# Altium PCB Board.PcbDoc (part 5 of 7)
Units mil, origin at the board's own origin, x right, y up, seen from the top; angles counter-clockwise.
Board outline 7091.76 x 4731.03 mil, 4 copper layers (Top Layer, GND, VCC, Bottom Layer); 297 components, 197 nets, 1031 pads, 468 vias.
Unrouted connection lines stored in the file: 1.
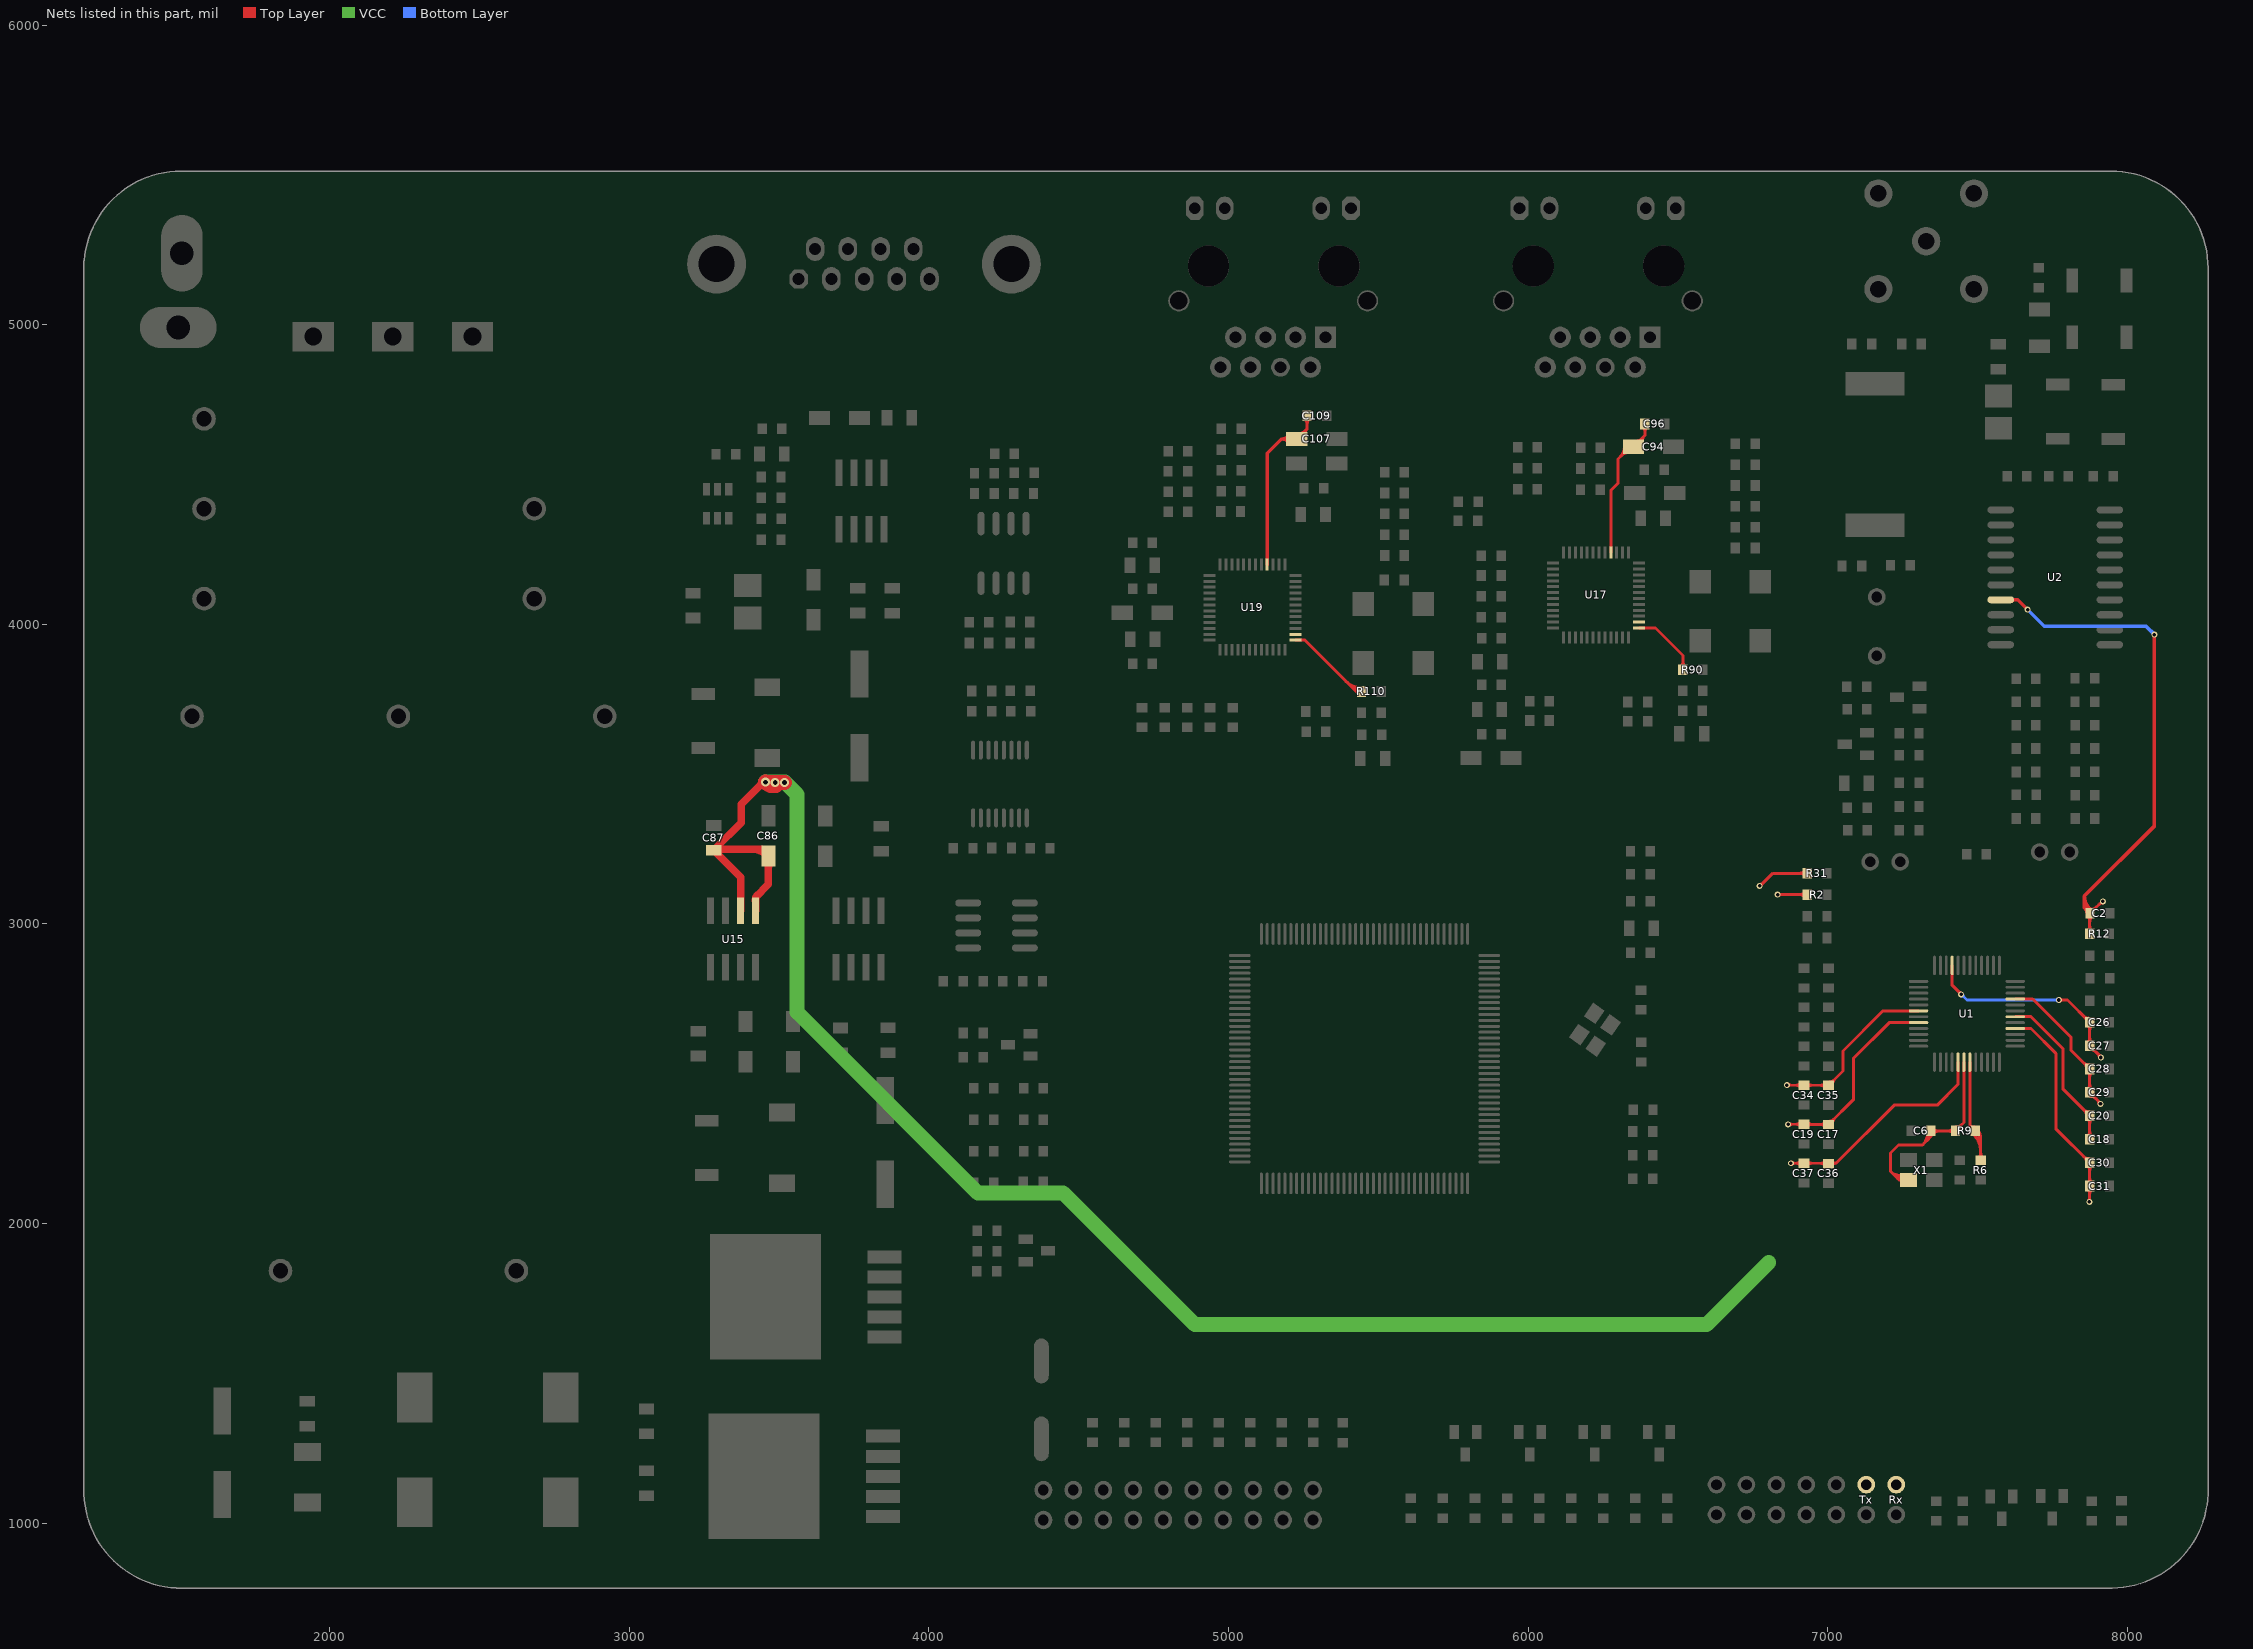
[diagram p7: the nets of this part, all layers, seen from the top]

## Via types
v1: diameter 20, hole 12, Top Layer to Bottom Layer, 399 vias
v2: diameter 30, hole 16, Top Layer to Bottom Layer, 68 vias
v3: diameter 25, hole 15, Top Layer to Bottom Layer, 1 vias

## Nets (pads, with @x,y where several pads share a name; then routed paths per layer and width w, separated by ;. In a path a pad name is that pad's centre, name@x,y a point inside that pad or via, vN(x,y) a via of type N, cw(c..) or ccw(c..) an arc to the next point about the centre after c; other vN are vias at no path point) (continued)
VDD-3.3: C2.2 C26.2 C27.2 C28.2 C29.2 C30.2 C31.2 C34.2 C35.2 C36.2 C37.2 C86.2 C87.1 R2.2 R12.2 R31.1 Rx.1 Tx.1 U1.9 U1.18 U1.29 U1.40 U1.45 U2.7 U15.1 U15.2 | length 12493.4
  Top Layer w10: v1(6773,3127) 6775,3127 6817,3169 R31.1@6932,3169 ; v1@6773,3132 ccw(c6773,3148.9) 6784.95,3136.95 ; v1(6833,3098) 6931.22,3098 R2.2@6931.85,3097.37 ; v1@6836.54,3094.46 cw(c6845.07,3085.93) 6845.07,3098 cw(c6845.07,3110.07) v1@6836.54,3101.54 ; v1(6864,2462) 6864.6,2461.4 C34.2@6921,2461.4 7002.4,2461.4 C35.2@7003,2460.8 7051,2508.8 7051,2576 7184.84,2709.84 U1.18@7303.58,2709.84 ; v1@6867.54,2458.46 cw(c6874.62,2451.38) 6874.62,2461.4 ; v1@6867.54,2465.54 ccw(c6877.52,2475.52) 6877.52,2461.4 ; v1(6877,2201) 7028,2201 ; v1@6880.54,2197.46 cw(c6889.07,2188.93) 6889.07,2201 cw(c6889.07,2213.07) v1@6880.54,2204.54 ; 6904.39,3098 cw(c6904.39,3069.91) R2.2@6924.25,3089.77 ; 6907.42,3098 ccw(c6907.42,3121.81) R2.2@6924.25,3104.97 ; C37.2@6911.43,2193.4 ccw(c6893.08,2175.05) 6893.08,2201 ccw(c6893.08,2226.95) C37.2@6911.43,2208.6 ; C34.2@6911.43,2453.8 ccw(c6893.08,2435.45) 6893.08,2461.4 ccw(c6893.08,2487.35) C34.2@6911.43,2469 ; R31.1@6924.4,3161.4 ccw(c6906.05,3143.05) 6906.05,3169 ccw(c6906.05,3194.95) R31.1@6924.4,3176.6 ; C37.2@6930.57,2193.4 cw(c6948.92,2175.05) 6948.92,2201 cw(c6948.92,2226.95) C37.2@6930.57,2208.6 ; C34.2@6930.57,2453.8 cw(c6948.92,2435.45) 6948.92,2461.4 cw(c6948.92,2487.35) C34.2@6930.57,2469 ; 6972.67,2201 cw(c6972.67,2171.64) C36.2@6993.43,2192.4 ; 6973.64,2461.4 cw(c6973.64,2433.4) C35.2@6993.43,2453.2 ; 6976.53,2461.4 ccw(c6976.53,2485.3) C35.2@6993.43,2468.4 ; 6977.5,2201 ccw(c6977.5,2223.53) C36.2@6993.43,2207.6 ; C35.2@7004.97,2471.55 ccw(c7004.97,2492.74) 7019.96,2477.76 ; C36.2@7012.68,2207.48 ccw(c7028,2222.33) 7028,2201 ; C36.2@7013.67,2193.69 cw(c7028,2183.3) 7028,2201 ; C35.2@7015.72,2460.8 cw(c7046.42,2460.8) 7024.71,2482.51 ; U1.9@7415.79,2861.42 7415.79,2795.21 v1(7446,2765) ; U1.29@7435.47,2538.58 7435.47,2464.47 7366,2395 7222,2395 7028,2201 ; v1@7441,2765 ccw(c7428.93,2765) 7437.46,2773.54 ccw(c7446,2782.07) v1@7446,2770 ; U1.40@7626.42,2650.79 7679.21,2650.79 7762,2568 7762,2316.14 C30.2@7875,2203.14 C31.2@7875,2125 7875,2073 v1(7874,2072) ; U1.45@7626.42,2749.21 7684.79,2749.21 7813,2621 7813,2577.71 C28.2@7875,2515.71 C29.2@7875,2437.57 7911,2401.57 v1(7911,2399) ; v1(7772,2746) 7801,2746 C26.2@7875,2672 C27.2@7875,2593.86 7912,2556.86 v1(7912,2554) ; v1@7775.54,2742.46 cw(c7784.07,2733.93) 7784.07,2746 cw(c7784.07,2758.07) v1@7775.54,2749.54 ; 7853.29,2224.85 ccw(c7875,2246.56) C30.2@7875,2215.86 ; 7853.29,2537.42 ccw(c7875,2559.13) C28.2@7875,2528.43 ; 7853.29,2693.71 ccw(c7875,2715.42) C26.2@7875,2684.72 ; 7858.04,2220.1 cw(c7843.06,2205.11) C30.2@7864.25,2205.11 ; 7858.04,2532.67 cw(c7843.06,2517.68) C28.2@7864.25,2517.68 ; 7858.04,2688.96 cw(c7843.06,2673.97) C26.2@7864.25,2673.97 ; C31.2@7867.4,2115.43 cw(c7849.05,2097.08) 7875,2097.08 cw(c7900.95,2097.08) C31.2@7882.6,2115.43 ; C31.2@7867.4,2134.57 ccw(c7849.05,2152.92) 7875,2152.92 ccw(c7900.95,2152.92) C31.2@7882.6,2134.57 ; C30.2@7867.4,2193.57 cw(c7849.05,2175.23) 7875,2175.23 cw(c7900.95,2175.23) C30.2@7882.6,2193.57 ; C29.2@7867.4,2447.14 ccw(c7849.05,2465.49) 7875,2465.49 ccw(c7900.95,2465.49) C29.2@7882.6,2447.14 ; C28.2@7867.4,2506.15 cw(c7849.05,2487.8) 7875,2487.8 cw(c7900.95,2487.8) C28.2@7882.6,2506.15 ; C27.2@7867.4,2603.43 ccw(c7849.05,2621.77) 7875,2621.77 ccw(c7900.95,2621.77) C27.2@7882.6,2603.43 ; C26.2@7867.4,2662.43 cw(c7849.05,2644.08) 7875,2644.08 cw(c7900.95,2644.08) C26.2@7882.6,2662.43 ; R12.2@7867.4,2976.57 ccw(c7849.05,2994.92) 7875,2994.92 ccw(c7900.95,2994.92) R12.2@7882.6,2976.57 ; C2.2@7868.4,3025.43 cw(c7852.47,3009.5) 7875,3009.5 ; v1@7870.46,2075.54 ccw(c7859.51,2086.49) 7875,2086.49 ; C29.2@7875,2424.85 cw(c7875,2394.15) 7896.71,2415.86 ; C27.2@7875,2581.14 cw(c7875,2550.44) 7896.71,2572.15 ; R12.2@7875,2967 7875,3034 C2.2@7876,3035 7916,3075 v1(7919,3075) ; 7875,3004.67 cw(c7904.36,3004.67) C2.2@7883.6,3025.43 ; C2.2@7876,3047.72 ccw(c7876,3078.42) 7897.71,3056.71 ; C29.2@7885.75,2435.6 ccw(c7906.94,2435.6) 7891.96,2420.62 ; C27.2@7885.75,2591.89 ccw(c7906.94,2591.89) 7891.96,2576.9 ; C2.2@7886.75,3036.97 cw(c7907.94,3036.97) 7892.96,3051.96 ; 7900.65,2411.92 cw(c7887.72,2399) v1@7906,2399 ; 7901.44,2567.41 cw(c7888.03,2554) v1@7907,2554 ; 7905.34,3064.34 cw(c7919,3050.69) v1@7919,3070
  Top Layer w12: U2.7@7578,4082 7635,4082 v1(7668,4049) ; U2.7@7614.59,4077.89 cw(c7624.51,4067.97) 7624.51,4082 cw(c7624.51,4096.03) U2.7@7614.59,4086.11 ; 7857,3069.61 ccw(c7899.43,3069.61) C2.2@7874.69,3035.14 ; C2.2@7860.75,3050.25 cw(c7847.47,3036.97) C2.2@7866.25,3036.97 ; C2.2@7875.62,3046.71 cw(c7874.65,3071.64) 7857,3054 ; C2.2@7876,3035 7857,3054 ; C2.2@7881.69,3044.89 cw(c7916.23,3093) 7857,3093 ; v1(8091,3966) 8091,3327 7857,3093 ; 7857,3054 7857,3093
  Top Layer w25: C87.1@3292.56,3242.31 cw(c3311.12,3223.75) 3311.12,3250 ; 3303.35,3223.65 cw(c3325.69,3246) 3294.09,3246 cw(c3325.69,3246) 3303.35,3268.35 ; U15.2@3371,3044 3371,3156 C87.1@3281,3246 C87.1@3285,3250 ; 3410.29,3250 cw(c3410.29,3185.16) C86.2@3456.14,3231.01 ; U15.1@3420.31,3076.48 cw(c3448.87,3076.48) 3428.68,3096.68 ; U15.1@3421,3044 3421,3089 3464,3132 C86.2@3464,3227.06 3441.06,3250 C87.1@3285,3250 ; 3436.08,3463.08 cw(c3454,3445.15) v2@3454,3470.5 ; v2@3443,3470 3373,3400 3373,3338 C87.1@3285,3250 ; C86.2@3456.14,3207.39 cw(c3437.15,3188.4) 3464,3188.4 cw(c3490.85,3188.4) C86.2@3471.86,3207.39
  Top Layer w50: v2@3488.2,3462.15 cw(c3481.57,3500.57) v2(3454,3473) v2@3455,3472 ; v2@3488.7,3462.25 cw(c3480.7,3497.7) v2@3455,3472 ; v2(3518,3472) v2@3455,3472
  VCC w50: v2(3454,3473) 3519,3473 3560,3432 3560,2705 4163,2102 4448,2102 4888,1662 6596,1662 6803.5,1869.5
  Bottom Layer w10: v1@7446,2760 cw(c7446,2747.93) 7454.54,2756.46 cw(c7463.07,2765) v1@7451,2765 ; v1(7446,2765) 7465,2746 v1(7772,2746) ; v1@7768.46,2742.46 ccw(c7759.93,2733.93) 7759.93,2746 ccw(c7759.93,2758.07) v1@7768.46,2749.54
  Bottom Layer w12: v1(7668,4049) 7723,3994 8063,3994 v1(8091,3966)
  other v2: 3486.5,3472
VDD_CORE: C17.2 C18.2 C19.2 C20.2 U1.20 U1.42 | length 1504.3
  Top Layer w10: v1(6868,2331) 6868.2,2331.2 C19.2@6921,2331.2 6921.8,2330.4 C17.2@7003,2330.4 7087,2414.4 7087,2552 7205.47,2670.47 U1.20@7303.58,2670.47 ; v1@6871.54,2327.46 cw(c6880.55,2318.45) 6880.55,2331.2 ; v1@6871.54,2334.54 ccw(c6879.59,2342.59) 6879.59,2331.2 ; C19.2@6911.43,2323.6 ccw(c6893.08,2305.25) 6893.08,2331.2 ccw(c6893.08,2357.15) C19.2@6911.43,2338.8 ; C19.2@6930.57,2323.6 cw(c6946.99,2307.18) 6946.99,2330.4 ; C19.2@6930.57,2338.8 ccw(c6950.85,2359.08) 6950.85,2330.4 ; C17.2@6993.43,2322.8 ccw(c6975.08,2304.45) 6975.08,2330.4 ccw(c6975.08,2356.35) C17.2@6993.43,2338 ; C17.2@7004.97,2341.15 ccw(c7004.97,2362.34) 7019.96,2347.36 ; C17.2@7015.72,2330.4 cw(c7046.42,2330.4) 7024.71,2352.11 ; U1.42@7626.42,2690.16 7678.84,2690.16 7785,2584 7785,2449.43 C20.2@7875,2359.43 C18.2@7875,2281.29 ; 7853.29,2381.14 ccw(c7875,2402.85) C20.2@7875,2372.14 ; 7858.04,2376.38 cw(c7843.06,2361.4) C20.2@7864.25,2361.4 ; C18.2@7867.4,2290.85 ccw(c7849.05,2309.2) 7875,2309.2 ccw(c7900.95,2309.2) C18.2@7882.6,2290.85 ; C20.2@7867.4,2349.86 cw(c7849.05,2331.51) 7875,2331.51 cw(c7900.95,2331.51) C20.2@7882.6,2349.86
XI1: R110.2 U19.1 | length 429.6
  Top Layer w10: U19.1@5224,3947 5255,3947 5426,3776 ; 5391.56,3810.44 ccw(c5444,3862.87) R110.2@5444,3788.72 ; 5408.63,3793.37 ccw(c5444,3828.73) R110.2@5444,3778.72 ; 5425.71,3776.29 ccw(c5444,3794.59) R110.2@5444,3768.72 ; R110.2@5434.54,3770.9 ccw(c5426,3766.3) 5426,3776 ; R110.2@5434.54,3781.1 cw(c5426,3785.7) 5426,3776 ; R110.2@5444,3776 5426,3776
XI2: R90.2 U17.1 | length 272.9
  Top Layer w10: U17.1@6371,3988 6425,3988 6517,3896 R90.2@6517,3848 ; R90.2@6509.4,3857.57 ccw(c6491.05,3875.92) 6517,3875.92 ccw(c6542.95,3875.92) R90.2@6524.6,3857.57
XIN: C6.1 R9.1 U1.30 X1.1 | length 1022.2
  Top Layer w10: 7221.27,2162.73 ccw(c7249.89,2191.35) X1.1@7263.22,2153.14 ; 7232.53,2151.47 ccw(c7255.71,2174.66) X1.1@7266.52,2143.7 ; X1.1@7248.67,2138.35 ccw(c7239,2134.65) 7239,2145 ; X1.1@7248.67,2151.65 cw(c7239,2155.35) 7239,2145 ; X1.1@7259.93,2162.58 cw(c7244.06,2208.05) 7210,2174 ; X1.1@7270,2145 7239,2145 ; 7332.75,2277.75 ccw(c7304.83,2305.68) C6.1@7344.25,2307.99 ; C6.1@7334.27,2307.4 cw(c7275.07,2303.94) 7317,2262 ; C6.1@7339.89,2298.58 cw(c7335.25,2290) 7345,2290 ; C6.1@7350.11,2298.58 ccw(c7354.75,2290) 7345,2290 ; C6.1@7352.6,2300.43 cw(c7373.29,2279.75) 7373.29,2309 ; C6.1@7352.6,2315.63 ccw(c7368.61,2331.64) 7368.61,2309 ; R9.1@7419.4,2301.4 ccw(c7401.05,2283.05) 7401.05,2309 ccw(c7401.05,2334.95) R9.1@7419.4,2316.6 ; R9.1@7427,2321.72 ccw(c7427,2352.42) 7448.71,2330.71 ; R9.1@7437.75,2310.97 cw(c7458.94,2310.97) 7443.96,2325.96 ; U1.30@7455.16,2538.58 7455.16,2337.16 R9.1@7427,2309 7346,2309 C6.1@7345,2310 7345,2290 ; 7210,2174 7210,2235 7237,2262 7317,2262 ; 7210,2174 7239,2145 ; 7317,2262 7345,2290
XO1: U19.2
XO2: U17.2
XOUT: R6.1 R9.2 U1.31 | length 601.8
  Top Layer w10: U1.31@7474.84,2538.58 7474.84,2327.16 ; 7476.04,2325.96 cw(c7461.06,2310.97) R9.2@7482.25,2310.97 ; R9.2@7485.4,2299.43 cw(c7423.6,2237.63) 7511,2237.63 ; R9.2@7491.48,2321.61 cw(c7488.71,2341.03) 7474.84,2327.16 ; R9.2@7492.47,2306.5 cw(c7447.74,2261.77) 7511,2261.77 ; R9.2@7494.6,2296.4 cw(c7497.44,2277.45) 7511,2291 ; R9.2@7499.54,2313.57 cw(c7471.88,2285.91) 7511,2285.91 ; R6.1@7503.4,2218.6 ccw(c7485.05,2236.95) 7511,2236.95 ccw(c7536.95,2236.95) R6.1@7518.6,2218.6 ; R9.2@7503.75,2307.03 ccw(c7524.94,2307.03) 7509.96,2292.04 ; R6.1@7511,2211 7511,2291 ; 7474.84,2327.16 R9.2@7493,2309 7511,2291
XTALVDD1: C107.2 C109.2 U19.16 | length 740.7
  Top Layer w11: U19.16@5129.21,4199.27 5129.21,4571.21 5177,4619 ; C107.2@5202.46,4607.25 ccw(c5177,4585.56) 5177,4619 ; C107.2@5202.46,4630.75 cw(c5177,4652.44) 5177,4619 ; C107.2@5239.87,4637.12 ccw(c5239.87,4652.36) C107.2@5250.65,4641.58 ; C107.2@5246.46,4621.72 cw(c5263.05,4628.59) C107.2@5250.35,4641.29 ; C109.2@5254.75,4686.79 cw(c5237.26,4669.29) 5262,4669.29 cw(c5286.74,4669.29) C109.2@5269.25,4686.79 ; C107.2@5256.62,4625.93 cw(c5279.53,4635.4) 5262,4652.94 ; C109.2@5262,4696 5262,4652.94 ; 5177,4619 C107.2@5228.06,4619 5262,4652.94
XTALVDD2: C94.2 C96.2 U17.16 | length 635.3
  Top Layer w10: U17.16@6276.21,4240.27 6276.21,4447.21 6300,4471 6300,4552 C94.2@6326,4578 ; 6307.93,4559.93 ccw(c6274.87,4593) C94.2@6321.63,4593 ; 6309.74,4561.74 cw(c6340.25,4531.23) C94.2@6340.25,4574.38 ; C94.2@6352.06,4593 6390,4630.94 ; C94.2@6363.87,4611.62 ccw(c6363.87,4628.07) C94.2@6375.5,4616.44 ; C94.2@6372.14,4595.46 cw(c6394.95,4602.23) 6378.12,4619.06 ; C94.2@6381.72,4598.3 cw(c6413.26,4607.67) 6390,4630.94 ; C96.2@6382.4,4659.43 cw(c6364.05,4641.08) 6390,4641.08 cw(c6415.95,4641.08) C96.2@6397.6,4659.43 ; C96.2@6390,4669 6390,4630.94
pads on no net: J5.4 J5.7 J5.8 J5.9 U2.3 U2.8 U2.12 U3.1 U3.2 U3.3 U3.4 U3.5 U3.6 U3.7 U3.8 U3.9 U3.10 U3.11 U3.12 U3.13 U3.14 U3.15 U3.18 U3.19 U3.20 U3.21 U3.22 U3.26 U3.27 U3.28 U3.29 U3.31 U3.32 U3.44 U3.46 U3.47 U3.49 U3.50 U3.53 U3.54 U3.55 U3.56 U3.57 U3.58 U3.59 U3.60 U3.63 U3.64 U3.68 U3.69 U3.70 U3.79 U3.85 U3.86 U3.87 U3.88 U3.89 U3.90 U3.91 U3.93 U3.96 U3.97 U3.98 U3.99 U3.102 U3.104 U3.115 U3.116 U3.117 U3.118 U3.119 U3.122 U3.123 U3.124 U3.125 U3.126 U3.127 U3.128 U3.129 U3.132 U3.135 U3.136 U3.137 U4.11 U4.17 U4.19 U7.12 U7.14 U13.4 U14.4 U15.4 U16.0 U16.7 U16.13 U16.14 U18.0 U18.7 U18.13 U18.14 X3.1 X4.1
copper on no net: | length 69828